# KiCad board 2000ATX.kicad_pcb (continued)
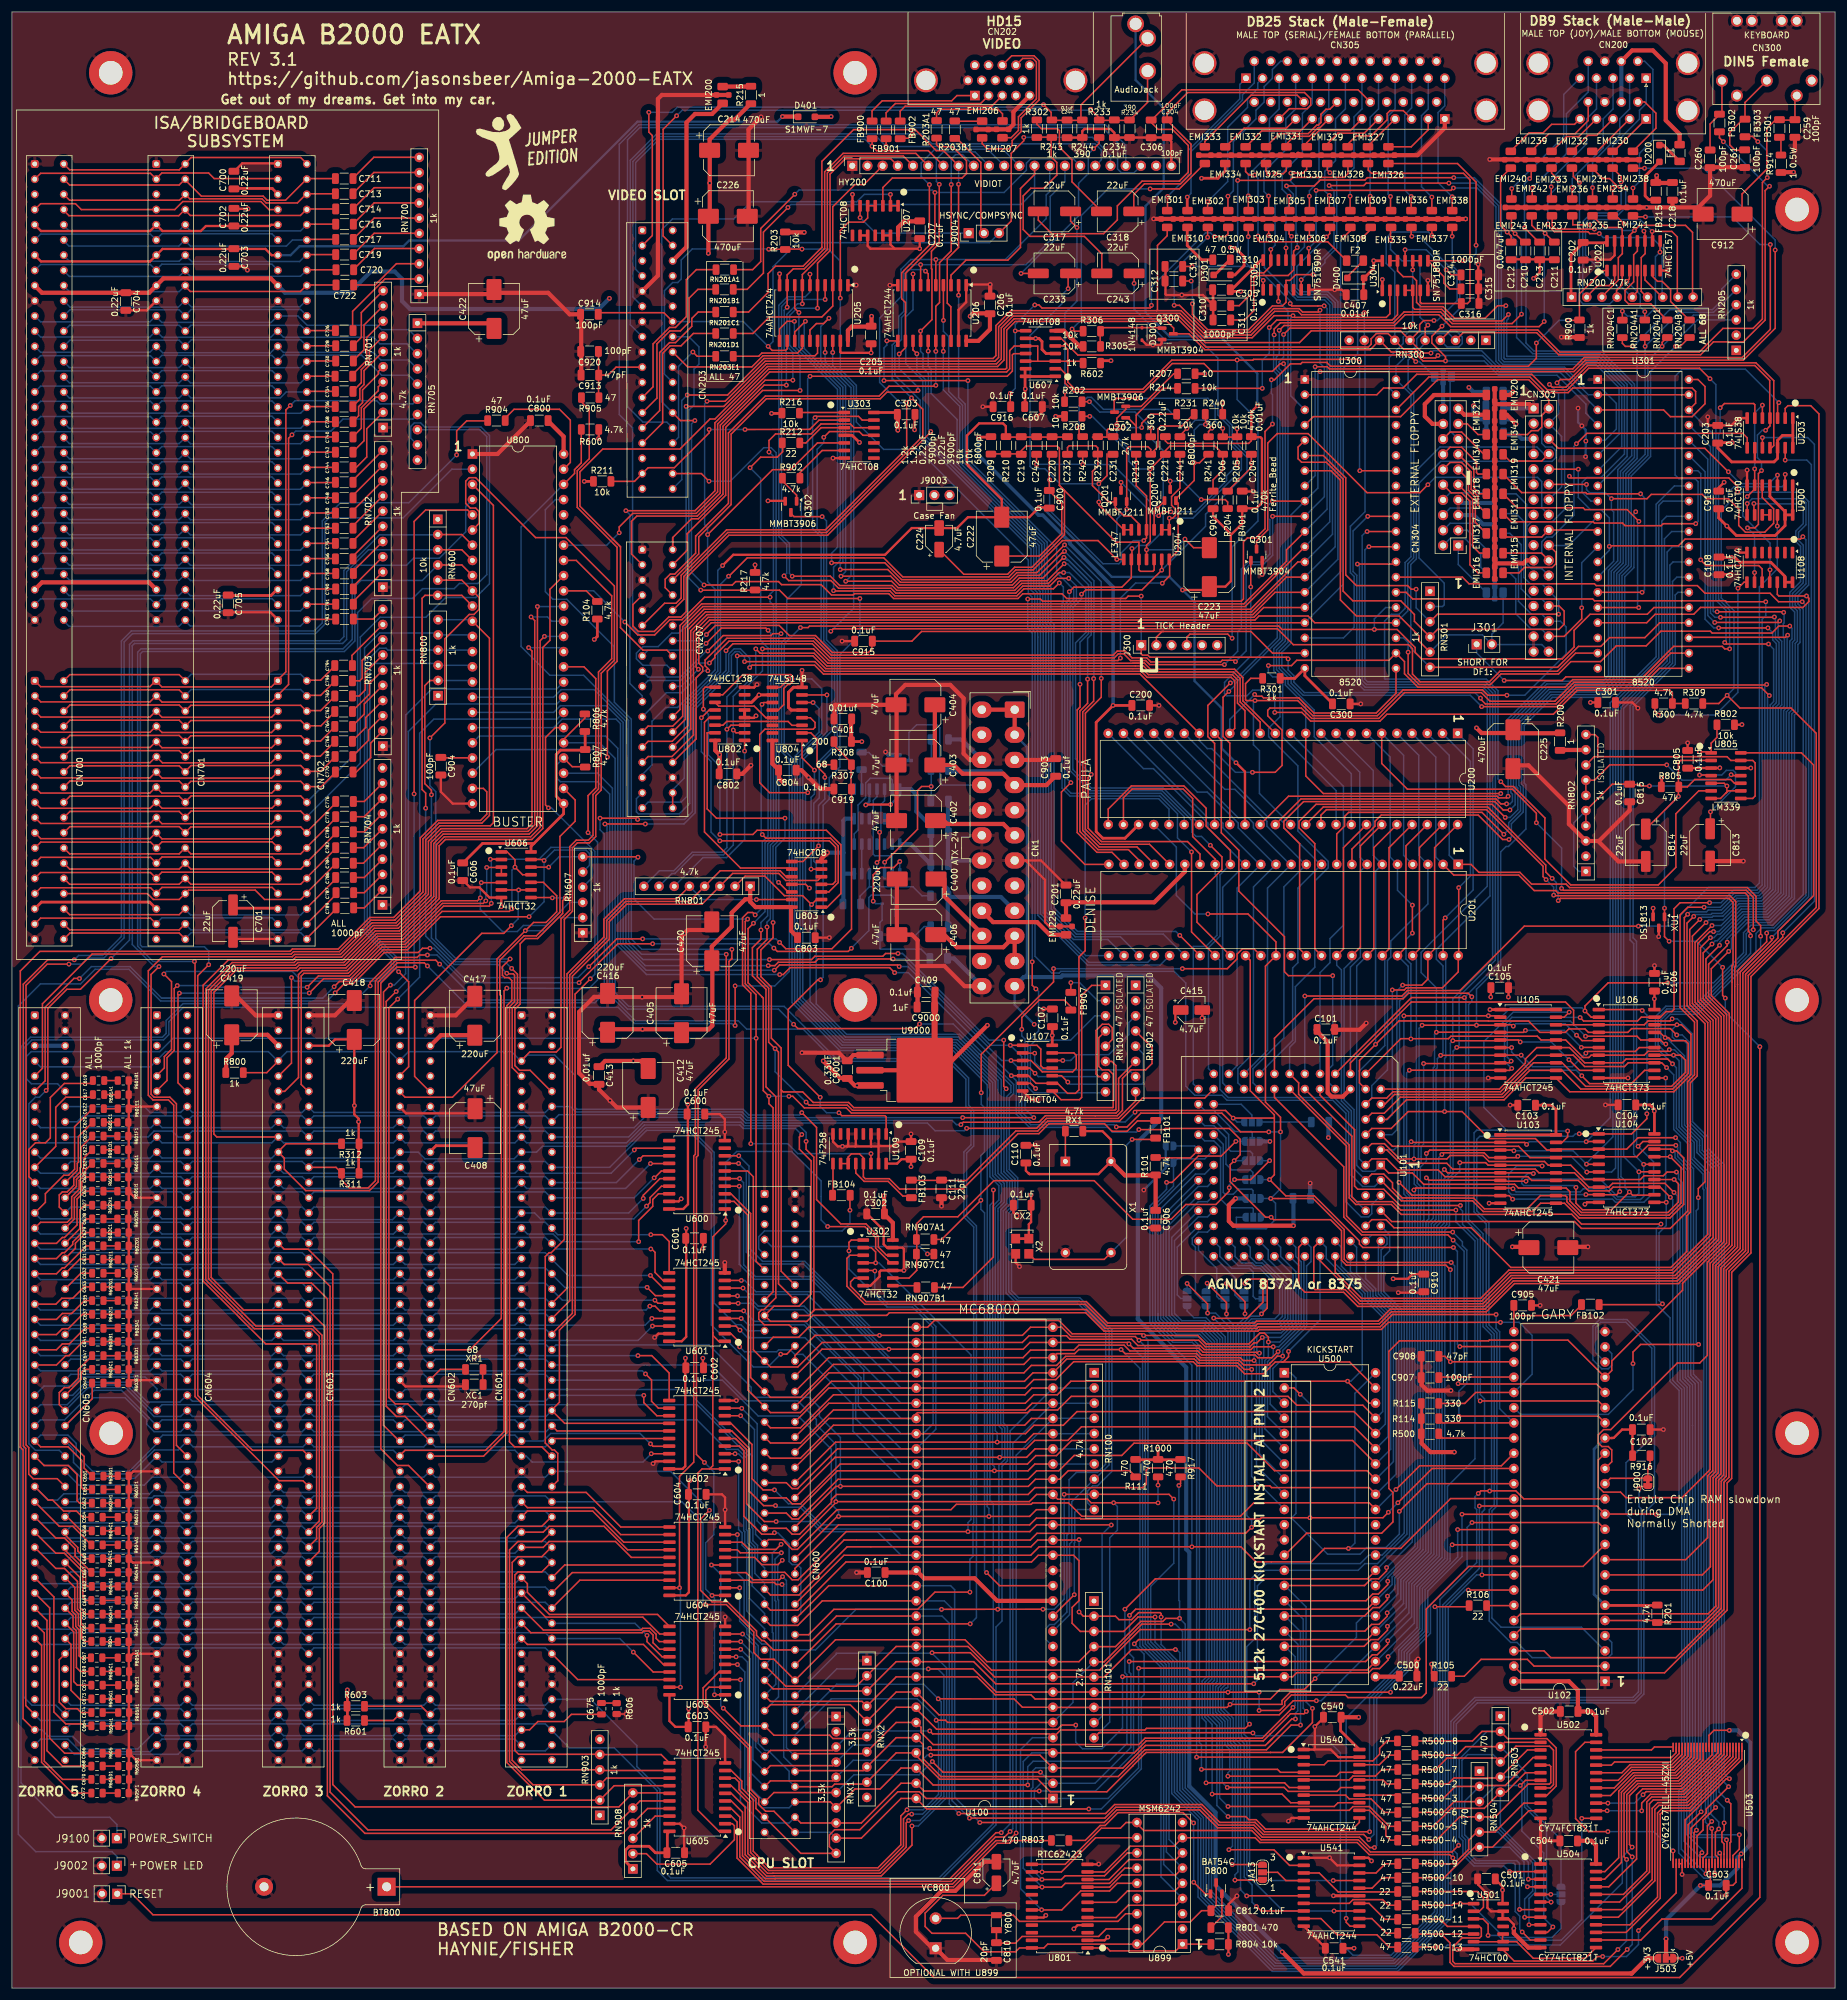
[diagram p0: board, top side]
## Nets (continued)
Net-(U899-XT): U899.16 VC800.2 Y800.2
Net-(U900-Pad10): U900.10 U900.11
Net-(U9101-Pad6): U9101.6 U9101.9
Net-(U9102B-C): U9101.2 U9102.11
Net-(U9102B-D): U9101.4 U9102.12
Net-(U9102B-Q): R9104.2 U9102.9
Net-(U9102B-~{R}): U9101.8 U9102.13
Net-(X1-Enable): RX1.1 X1.1
Net-(X1-OUT): FB101.1 X1.8 X2.3
Net-(XC1-Pad1): XC1.1 XR1.2

Pads without a net: CN1 8 20; CN202 4 9 11 12 15; CN203 1 2 5 35; CN300 3; CN303 3; CN305 15 37 38 39 40 41 42 44 46 48 49 50; CN601 11; J300 5; J9003 3; RN205 2; RN300 2 10; RN704 10; RN705 10; RN902 1 2; RN903 6; RNX1 2; RNX2 10; U108 1 2 3 4 5 6; U109 4 7; U207 8 11; U301 18; U303 8 9 10; U305 2 5 9 12; U501 11; U503 10 13; U541 5; U600 9 11; U800 44; U801 3 6 8 17 18 21 22 23; U802 7; U804 14 15; U9101 10 11 12 13; U9102 1 2 3 4 5 6 8

## Via types
v1: diameter 0.8, hole 0.4, Top to Bottom, 1212 vias

## Routing (per net, layer and track width the routed paths; a pad name or vN(x,y) marks a point on that pad's centre or on a via; arc(x,y) is an arc through that point)
+3V3: length 364.9
  Top w0.381: X2.4 170.01,127.62 170.38,127.99 CX2.1 170.38,132.51 v1(170.37,132.53)
  Top w0.457: X2.1 X2.4
  Top w0.7: J503.3 273.36,4.98 270.83,2.45 270.72,2.45 270.72,2.43 215.98,2.43 v1(212.37,6.04) ; CN1.13 CN1.1 CN1.2
  In2.Cu w0.381: v1(170.91,161.04) 172.14,159.81 172.14,134.3 v1(170.37,132.53)
  Bottom w0.381: v1(170.91,161.04) 167.64,164.31 CN1.12 169.68,169.45 169.68,207.37 CN1.2
  Bottom w0.7: 212.35,6.03 212.37,6.01 v1(212.37,6.04) 212.34,6.04 201.23,17.15 201.23,29.32 196.84,33.71 196.84,72.82 196.32,73.33 196.32,103.71 188.23,111.8 188.23,141.41 192.14,145.32 192.14,167.1 190.23,169.01 190.23,169.21 175.64,169.21 175.36,168.93 169.16,168.93 CN1.12
+5V: length 974.4
  Top w0.381: C110.1 169.52,136.57 169.99,136.1 170.01,136.12 170.12,136.01 181.63,136.01 X1.14 183.74,141.75 182.31,143.19 RX1.2 ; C106.1 274.61,165.32 v1(274.59,165.29) 274.61,165.27 274.61,163.51 ; U203.9 291.38,255.1 291.46,255.02 ; v1(227.3,21.24) 226.77,21.77 U541.20 ; 129.28,248.51 v1(126.4,248.51) ; v1(113.01,147.67) 113.03,130.98 112.23,130.17 U600.20 ; R802.2 289.21,211.09 v1(289.24,211.12) ; R217.2 v1(124.24,237.82) ; XU1.2 v1(274.39,180.44) ; C105.1 247.26,165.62 v1(247.24,165.59) ; 247.92,18.24 249.21,16.95 v1(249.21,16.36) 249.21,14.09 ; R600.2 98.11,258.95 v1(98.07,258.91) ; 113.38,84.8 113.4,84.82 v1(113.35,84.82) 113.35,84.77 113.18,84.6 113.18,66.13 112.66,65.61 U604.20 ; 270.93,88.67 270.93,93.21 ; 57.97,141.07 57.97,144.67 58,144.7 57.97,144.73 57.97,145.27 57.23,146 57.23,147.47 57.2,147.5 57.23,147.53 C418.1 54.01,158.51 52.95,157.45 CN603.6 ; U602.20 112.12,86.74 112.57,87.19 112.57,103.63 v1(112.59,105.26) ; U601.20 111.98,108.08 112.72,108.82 v1(112.72,126.93) ; C910.1 234.16,119.3 233.38,118.52 v1(230.92,118.52) ; v1(172.85,12.15) 172.49,11.78 U801.20 ; U801.4 178.17,10.51 v1(177.54,9.89) ; J503.1 v1(279.25,4.98) ; v1(113.13,46.67) 113.13,43.64 110.91,43.64 109.93,44.62 U603.20 ; U109.16 147.99,137.76 148.72,138.49 C109.2 150.32,137.25 v1(150.31,137.24) ; R801.1 R804.1 203.38,5.63 v1(203.38,5.63) ; 222.54,6.65 v1(224.38,6.65) ; v1(285.54,203.89) 285.5,203.86 U805.3 280.18,203.86 ; U102.17 267.5,91.9 267.5,91.92 267.8,91.92 269.19,93.32 C102.1 ; 194.51,163.42 194.51,161.38 ; C301.1 v1(263.91,214.82)
  Top w0.457: 57.97,141.07 57.97,136.14 ; RN908.1 102.58,21.14 102.58,23.04 103.22,23.68 106.5,23.68 107.58,22.61 109.57,22.61 109.57,25.83 U605.20 ; v1(56.08,49.81) 56.08,44.7 ; 97.28,251.76 v1(95.68,251.76) ; v1(97.36,225.35) 97.87,225.86 97.87,228.83 ; 95.8,206.85 91.72,206.85 91,206.13 91,199.15 U800.25 92.23,196.22 87.27,191.26 ; 95.83,206.89 95.83,209.98 ; U606.14 86.78,190.77 87.27,191.26 ; 87.27,191.26 78.69,191.26 75.36,187.94 ; 36.14,232.69 43.31,232.69 44.4,233.78 ; 44.4,180.44 37.22,180.44 ; 24.08,180.39 23.01,181.46 4.93,181.46 CN700.D16 ; 37.11,300.71 43.51,300.71 44.4,299.82 ; 169.38,275.64 v1(171.15,275.64) 171.71,275.64 172.21,275.14 172.21,273.81 172.9,273.13 U607.4 ; 297.74,259.44 297.74,262.33 ; 297.74,259.44 297.74,257.39 ; 297.74,259.44 296.01,259.44 295.2,258.62 295.2,257.11 ; U540.20 222.13,43 222.13,45.26 ; 235.68,97.69 235.68,92.61 ; v1(287.6,258.24) 285.19,258.24 285.19,257.35 287.53,255.02 294.6,255.02 295.19,255.61 U203.12 ; U104.20 274.6,146.53 v1(274.59,146.54) 274.6,146.56 274.6,146.84 273.87,147.57 271.4,147.57 ; 275.82,200.71 v1(275.82,202.29) ; 275.08,63.93 266.37,63.93 ; 169.38,269.29 169.38,264.27 ; 169.38,269.29 169.38,270.56 ; 169.38,269.29 174.33,269.29 ; U202.16 266.36,291.62 262.69,291.62 260.65,289.59 260.65,282.55 ; U305.14 208.85,288.73 203.63,283.51 v1(205.44,283.51) ; 173.93,160.26 173.93,159.18 v1(173.93,159.18) 173.93,159.17 U107.14 ; v1(203.71,290.83) 204.47,290.83 205.99,289.31 205.99,287.78 204.47,286.26 D301.2 ; 181.89,271.93 v1(183.74,271.93) ; 285.34,247.27 285.34,245.67 v1(286.72,244.3) 288.3,242.71 294.79,242.71 296.44,244.37 U900.13 U900.14 U900.1 ; U105.20 U105.1 v1(247.11,163.49) ; U108.14 U108.13 296.42,235.89 294.06,238.25 288.86,238.25 288.06,239.04 v1(287.51,239.04) 285.39,239.04 ; 296.44,246.71 293.9,249.25 U900.4 ; 140.29,208.28 v1(142.09,208.28) ; v1(141.7,258.27) 140.46,259.46 U303.4 ; U303.14 147.8,263.27 ; 187.86,88.27 191.62,88.27 ; 191.62,88.27 v1(191.62,90.02) ; 191.62,88.27 195.38,88.27 ; 211.97,218.85 214.48,218.85 U300.20 216.15,219.28 220.85,214.58 ; U103.1 U103.20 258.14,146.79 257.41,147.52 256.1,147.52 v1(256.06,147.57) 256.02,147.52 254.64,147.52 ; 128.7,263.12 v1(127,263.12)
  Top w0.5: U804.10 v1(124.89,216.08) 123.6,214.78 ; U802.6 123.55,214.83
  Top w0.7: CN700.B29 5.02,234.89 22.92,234.89 24.08,233.73 ; RN705.1 80.28,278.18 ; U800.48 92.23,259.26 89.56,261.92 ; 111.93,160.22 v1(105.42,160.22) 98.42,160.22 ; 261.57,24.6 v1(263.52,24.6) 264.08,24.6 264.84,23.85 U504.24 ; 118.32,202.89 v1(118.32,206.08) 117.6,206.8 117.59,208.43 ; 190.89,135.92 191.21,135.6 191.21,129.87 ; C419.1 42.72,159.28 CN603.5 ; 277.62,301.63 274.98,301.63 v1(274.98,302.87) ; 148.1,262.97 v1(148.1,260.31) ; C420.1 117,174.03 120.33,177.37 120.33,179.68 122.59,181.94 123.43,181.94 ; U500.22 231.92,52.02 ; v1(129.06,201.33) 128.24,202.14 128.24,203.5 127.14,204.61 U804.16 ; 190.76,135.8 186.07,135.8 X1.14 ; U100.14 164.72,64.69 160.95,68.46 152.49,68.46 U100.49 150.84,69.43 145.9,69.43 ; RN801.1 123.43,181.94 ; 123.43,181.94 123.43,181.52 124.32,180.62 U803.14 ; EMI229.1 173.51,175.99 171.39,178.11 164.04,178.11 CN1.21 ; 140.29,208.28 140.29,212.04 ; 111.95,160.19 116.47,160.19 117.09,160.81 117.09,171.39 ; EMI200.1 117.05,313.16 114.2,313.16 112.78,311.73 112.78,290.94 CN203.6 ; 155.91,185.32 155.91,182.42 162.14,176.19 ; U102.48 260.31,51.26 261.81,49.76 261.81,46.21 264.05,46.21 264.86,45.4 U502.24 ; 194.51,161.38 v1(194.49,161.37) ; 258.83,206.88 263.12,206.88 ; CN602.6 71.72,159.22 C417.1 ; 174.5,202.56 172.95,201.01 CN1.4 165.74,202.91 158.94,202.91 157.48,204.37 C403.1 C404.1 ; 129.29,293.37 v1(132.46,293.37) ; v1(145.79,132.39) 145.79,129.35 147.28,127.87 U302.14 ; 131.42,175.51 130.27,176.67 130.27,180.42 ; 235.68,92.61 235.68,91.02 237.14,89.56 v1(241.15,89.56) ; 35.81,152.96 35.81,155.29 36.74,156.22 36.74,159.83 ; v1(250.85,123.85) 253.5,123.85 ; 295.76,303.44 v1(297.86,303.44) ; 217.95,160.12 219.97,158.1 219.97,149.61 220.63,148.95 222.51,148.95 U101.15 ; 222.14,45.25 v1(225.16,45.25) ; CN1.6 165.74,194.51 156.37,194.51 155.81,195.07
  Bottom w0.457: U102.17 264.52,90.07 264.52,65.79 U102.6
  Bottom w0.7: 3.78,157.45 8.86,157.45 ; v1(244.35,264.41) 244.35,262.64 244.86,262.13 F4.2 ; 220.09,144.71 v1(220.09,142.11) ; 246.5,261.87 246.5,259.59 ; CN1.4 165.34,203.31 156.77,203.31
  vias: v1(57.25,147.45) v1(57.95,144.75) v1(169.42,267.21)
+12V: length 709
  Top w0.457: U304.14 v1(227.67,288.63) 227.67,287.36 D400.2 ; 225.94,282.96 225.94,285.62 ; 197.74,269.75 v1(199.44,269.75)
  Top w0.7: 155.86,176.02 157.97,173.91 165.74,173.91 CN1.10 CN1.11 ; CN702.B9 43.25,285.69 25.34,285.69 CN701.B9 22.93,283.27 5.02,283.27 CN700.B9
  In2.Cu w0.7: 212.8,273.35 217.27,277.83 226.62,277.83 230.06,281.26 230.06,286.24 v1(227.67,288.63) 227.21,289.09 193.84,289.09 173.36,268.61 173.36,262.54 159.94,249.13 159.94,204.43 161.05,203.31 162.83,203.31 164.54,201.6 164.54,177.55 ; 212.8,273.35 235.68,273.35 241.57,267.46 v1(243.59,267.46) ; 212.8,273.35 209.19,269.75 v1(199.44,269.75) ; 164.54,173.53 164.54,164.48 159.82,159.77 143.76,159.77 136.37,152.37 CN601.10 ; 164.54,173.53 166.83,175.81 ; 164.54,173.53 164.54,177.55 ; 159.94,246.02 155.83,246.02 154.22,247.64 J9003.2 ; 7.21,151.54 5.17,153.58 3.32,153.58 2.02,154.88 2.02,282.69 CN700.B9 ; 164.54,177.55 166.28,175.81 CN1.10 ; 168.44,171.61 169.95,170.1 169.95,166.41 161.51,157.97 144.51,157.97 142.33,155.79 142.33,135.23 133.3,126.2 133.3,124.93 CN600.10 ; CN203.10 109.26,282.34 99.89,282.34 v1(99.89,282.34)
  Bottom w0.7: 246.5,264.16 246.5,266.45 ; v1(99.89,282.34) 98.11,280.57 66.54,280.57 65.21,281.89 65.21,285.59 63.99,286.82 59.99,286.82 56.44,283.27 45.66,283.27 CN702.B9 ; v1(243.59,267.46) 244.35,266.7 F3.2
-5V: length 396.7
  Top w0.381: CN702.B5 43.32,294.64 43.12,294.44 C702.1 32.43,294.44 31.59,293.59 25.18,293.59 CN701.B5 23.08,293.59 4.86,293.59 CN700.B5
  Top w0.7: 145.33,150.83 140.89,150.83 139.65,152.07 138.48,152.07 v1(135.64,154.91) ; 98.15,153.89 99.17,154.91 v1(103.89,154.91) 105.1,154.91 C412.2
  In2.Cu w0.381: 3.76,280.62 52.64,280.62 55.91,277.35 66.25,277.35 66.67,276.92 84.07,276.92 CN203.31 ; 3.76,280.62 3.55,280.62 2.76,279.83 2.76,156.57 3.38,155.96 7.84,155.96 CN605.8 ; 3.76,280.62 3.97,280.62 4.86,281.51 4.86,293.59 CN700.B5
  In2.Cu w0.7: CN601.8 v1(135.64,154.91) ; CN600.8 141.28,135.44 v1(141.28,150.82)
-12V: length 611.4
  Top w0.381: CN700.B7 4.86,288.51 23.08,288.51 CN701.B7 25.18,290.61 42.37,290.61 43.42,289.56 CN702.B7
  Top w0.457: 77.14,140.76 70.91,140.76 69.82,139.67 ; v1(229.11,285.5) U304.1 ; 176.04,262.64 v1(174.5,262.64)
  Top w0.6: 154.21,163.93 154.21,166.37
  Top w0.7: v1(128.83,312.72) 131.39,312.72 ; 155.57,153.37 v1(163.07,160.88) ; 145.33,153.37 154.48,153.37
  Top w1: 154.26,166.42 154.26,153.59
  In2.Cu w0.381: CN700.B7 1.28,287.03 1.28,143.26 3.6,140.94 6.79,140.94 ; v1(174.5,262.64) 160.68,248.82 160.68,219.42 164.18,215.92 164.18,211.45 CN1.14
  In2.Cu w0.457: v1(174.5,262.64) 174.5,268.65 192.7,286.85 198.07,286.85 199.45,288.23 226.38,288.23 v1(229.11,285.5)
  In2.Cu w0.7: CN601.20 91.52,139.67 92.56,140.72 92.56,145.23 98.8,151.47 136.75,151.47 144.14,158.87 161.07,158.87 v1(163.07,160.88) 163.07,160.89 165.44,163.25 165.44,172.96 166.12,173.65 168.46,173.65 169.84,175.03 169.84,176.6 168.73,177.71 166.55,177.71 165.44,178.83 165.44,206.11 CN1.14
  Bottom w0.381: CN702.B7 46.59,289.56 48.08,291.05 65.45,291.05 66.39,292 84.72,292 104.58,311.87 127.97,311.87 v1(128.83,312.72)
/Paula/+5VMOUSE: length 30.4
  Top w0.7: CN200.7 270.87,323.77 274.35,323.77 276.5,321.61 276.5,312.09 278.81,309.78 F1.2
  Bottom w0.7: CN200.16 CN200.7
/Power/+5VSB: length 56.3
  Top w0.381: v1(146.89,197.76) 142.81,197.76 v1(142.74,197.69)
  Bottom w0.381: v1(142.74,197.69) 143.35,198.3 U9102.10 ; v1(146.89,197.76) 148.43,199.3 U9102.14
  Bottom w0.7: U9101.14 150.26,191.15 153.69,187.72 153.69,186.39 156.43,183.64 156.43,182.52 ; 156.46,177.37 156.46,182.5 ; CN1.9 165.34,182.31 156.64,182.31 ; 153.7,187.73 153.7,194.11 151.21,196.6 151.21,199.42 150.29,200.34 148.39,200.34
GND: length 1491.8
  Top w0.25: 286.53,17.16 287.71,17.16 288.23,17.68 288.23,20.78 ; R606.1 102.69,45.78 v1(102.71,45.77) ; 278.73,20.78 279.23,20.78 v1(279.23,18.99)
  Top w0.381: 215.13,306.53 215.44,306.22 ; 262.69,288.82 v1(265.15,288.82) 267.23,288.82 267.94,289.53 U202.15 ; U305.7 v1(221.14,283.78) 222.31,283.78 223.14,282.96 ; U541.1 v1(220.29,21.77) 221.56,20.5 U541.19 ; v1(111.89,131.88) 111.46,131.44 U600.19 ; 77.14,146.16 65.88,146.16 64.74,147.29 ; 64.74,101.57 65.79,100.53 75.58,100.53 ; U606.7 79.83,182.22 78.14,183.92 76.58,183.92 75.36,185.14 ; U800.24 73.69,197.92 71.7,199.9 71.7,202.77 ; 36.14,229.89 43.21,229.89 44.4,228.7 ; 37.11,297.31 v1(39.47,297.31) ; 36.96,175.3 44.34,175.3 ; 44.4,304.9 38.5,304.9 37.11,303.51 ; v1(81.81,180.7) 81.81,182.21 ; v1(251.1,9.94) 251.1,10.63 250.18,11.55 249.21,11.55 249.21,12.82 247.28,12.82 246.69,13.41 246.69,15.71 v1(246.62,15.78) 245.12,17.28 245.12,18.24 ; 139.62,140.63 v1(138.85,140.63) 138.07,140.63 137.27,141.43 U109.8 ; 139.62,140.63 139.81,140.82 U109.6 ; 139.62,140.63 141.01,140.63 ; 285.39,236.24 v1(287.35,236.24) ; XU1.3 275.34,175.72 v1(275.31,175.69) ; CN604.49 20.03,101.57 19.54,101.09 19.54,151.64 ; 171.19,262.34 171.16,262.32 v1(171.16,262.34) 171.19,262.34 ; 171.19,262.34 172.26,263.42 C607.1 ; C107.2 172.49,163.6 v1(172.48,163.61) ; 19.54,55.18 20.22,55.85 CN604.85 ; v1(266.41,147.57) 266.42,147.57 C104.2 ; 219.59,6.73 217.22,9.09 v1(217.18,9.09) 217.18,9.13 U541.10 ; 169.47,188.41 172.72,185.17 172.72,178.11 173.44,177.39 173.44,177.39 EMI229.3 EMI229.3 ; 169.47,188.41 CN1.7 ; 169.47,188.41 172.04,188.41 176.23,184.23 ; U805.12 290.7,203.86 v1(290.71,203.87) ; 139.76,284.56 v1(141.16,284.56) ; CN604.73 20.2,71.09 19.54,71.75 ; 190.49,309.22 C304.2 193.83,308.53 HY200.22 ; v1(171.35,148.39) 170.5,148.39 U107.7 ; v1(163.55,284.67) 159.66,284.67 U206.1 159.54,281.71 158.27,280.44 U206.19 ; U207.9 U207.10 143.07,291.08 143.51,290.64 147.57,290.64 ; R244.1 178.95,310.3 179.3,310.65 183.68,310.65 184.31,310.02 C234.2 190.44,309.21 ; C704.2 22.53,280.34 CN701.B10 ; 245.14,281.53 v1(245.14,288.01) ; 205.69,250.07 v1(207.55,250.07) ; v1(213.41,27.89) 213.94,28.42 U540.10 ; v1(189.5,127.07) 189.51,127.07 191.21,127.07 ; U207.7 v1(140.53,299.72) ; 39.34,287.07 38.71,287.69 C703.2 ; 39.34,287.07 v1(39.36,287.07) 39.36,287.04 39.34,287.07 ; 19.48,133.16 20.58,132.05 CN604.25 ; 19.54,146.94 19.9,147.29 CN604.13 ; 179.83,7.97 182.68,7.97 v1(183.22,8.52) ; 164.11,264.24 v1(162.32,264.24) ; U108.7 288.81,239.86 v1(288.39,240.28) ; 112.37,22.61 v1(112.37,26.75) 111.66,27.46 U605.19 ; U601.19 108.08,109.35 v1(107.44,108.71) ; 151.76,292.41 v1(151.76,290.64) 147.57,290.64 ; 147.57,290.64 146.88,291.34 U207.13 U207.12 ; U109.3 143.62,140.67 143.66,140.63 ; CN604.37 19.89,116.81 19.54,117.16 ; U801.12 181.65,20.67 v1(181.69,20.72) ; 219.33,45.18 v1(217.83,43.69) 217.83,39.98 217.7,39.85 ; v1(150.31,142.72) 150.32,142.71 C109.1 148.26,141.44 147.51,140.7 144.95,140.7 144.89,140.63 ; C301.2 270.91,214.82 271.84,213.89 v1(271.84,213.87) ; U540.19 221.77,38.58 220.5,39.85 217.7,39.85 ; v1(168.45,120.56) 167.81,121.2 X2.2 ; 217.7,39.85 U540.1 ; U106.10 v1(270.18,152.07) ; v1(119.23,62) U603.10 ; v1(146.79,284.54) 146.8,284.56 148.09,284.56 ; 115.52,103.78 115.52,105.24 v1(115.51,105.25) ; C105.2 250.21,165.62 v1(250.19,165.59) ; 192.22,275.47 192.22,274.82 191.98,274.57 v1(190.75,274.57) 189.7,274.57 D300.2 ; U900.7 v1(290.09,253.64) ; 253.97,114.07 v1(255.5,114.07) ; U104.10 263.31,131.29 v1(262.99,130.97) ; 281.93,297.54 EMI241.3 ; 235.68,102.01 235.68,105.56 ; U600.10 119.18,143.04 v1(119.17,143.05) 119.18,143.06 119.18,145.19 118.33,146.04 C600.2 ; U202.8 v1(276.82,286.98) ; 140.97,225.07 v1(138.79,225.07) ; v1(115.98,40.31) 115.98,43.59 ; U205.19 138.49,273.37 138.62,273.24 v1(143.64,273.24) 143.64,274.82 ; C503.2 286.6,15.55 v1(286.58,15.53) ; 115.98,82.5 118.7,82.5 119.23,81.97 v1(119.23,79.93) 119.23,77.04 ; 19.54,32.58 19.54,85.6 20.28,86.33 CN604.61 ; U602.19 107.57,88.01 v1(107.19,87.63) ; U303.7 v1(137.26,255.65) ; CX2.2 167.44,129.6 168,129.04 v1(168.02,129.04) ; v1(121.11,98.17) U602.10 ; v1(115.52,123.59) 115.52,125.27 ; U105.10 v1(246.81,152.07) ; 150.9,262.97 v1(150.9,260.38) ; 209.01,238.43 v1(209.01,236.19) ; U302.7 143.53,117.36 145.05,118.89 145.05,119.7 145.26,119.9 U302.10 v1(149.12,119.9) 149.12,123.51 148.92,123.71 U302.13 146.3,123.71 145.74,124.28 145.74,126.61 142.99,129.35 ; 200.83,283.51 200.83,278.79 ; 285.34,250.07 285.34,250.7 v1(286.26,251.61) ; v1(204.8,15.4) 203.41,14 C812.2 ; C805.2 v1(280.16,208.07) ; 192.86,287.68 192.86,283.04 192.99,282.91 v1(195.58,282.91) 199.11,282.91 200.89,281.13 ; v1(283.51,262.53) 283.51,261.41 283.81,261.11 C203.1 287.46,261.11 288.68,262.33 U203.7 ; 141.01,140.63 143.66,140.63 ; 141.01,140.63 141.08,140.7 U109.5 ; U109.15 144.89,140.63 ; 144.89,140.63 143.66,140.63 ; 144.89,140.63 U109.2 ; CN604.99 20.77,38.07 19.61,39.24 ; 136.63,175.51 136.64,175.51 v1(136.66,175.52) 136.63,175.51 C803.2 ; U605.10 119.23,42.12 117.71,43.64 115.93,43.64 ; 223.65,214.58 v1(225.5,214.58) ; U103.10 v1(246.96,131.14) ; v1(250.49,147.54) 251.74,147.54 ; 151.46,163.98 151.46,175.03 ; U205.10 v1(128.33,286.45) ; 273.69,93.32 v1(276.1,93.32) ; C106.2 v1(274.61,170.84) ; C244.2 178.92,309.19 ; v1(171.16,140.82) 169.52,140.82 ; 265.18,191.67 RN802.3 ; 190.12,214.33 v1(191.77,214.33) ; 236.07,116.2 v1(231.78,116.2) ; U304.7 v1(236.73,285.34) ; C415.2 199.01,162.12 v1(198.98,162.1)
  Top w0.4: 122.54,217.32 124.08,217.32 v1(124.56,217.81) ; 124.05,212.24 v1(124.4,212.59) ; 122.56,212.24 124,212.24
  Top w0.5: v1(255.56,24.62) 255.56,20.75 ; U802.5 122.49,212.34 ; U502.12 255.56,24.82 ; U804.5 130.28,213.54 129.82,214 129.82,216.51 130.66,217.35 U804.8 v1(132.09,220.18) ; 258.77,24.6 255.78,24.6 ; U541.15 v1(220.94,15.42)
  Top w0.7: 95.17,269.57 95.17,279.65 ; 80.59,283.27 89.65,283.27 93.24,279.68 95.15,279.68 ; 67.89,283.06 80.38,283.06 ; U800.1 81.18,256.34 86.76,261.92 ; 147.95,185.27 C406.2 150.46,176.02 151.41,175.08 151.41,170.79 ; 131.04,203.5 131.98,203.5 135.13,200.36 137.49,200.36 ; C811.2 162.57,21.1 157.71,16.24 155.43,16.24 151.13,11.94 151.13,9.4 153.88,6.64 ; C417.2 74.19,162.53 CN602.2 ; EMI243.3 EMI241.3 277.72,297.54 ; CN1.3 174.35,205.21 ; v1(263.47,123.85) 260.24,123.85 ; CN202.5 167.43,313.51 167.43,311.4 EMI207.3 EMI206.3 ; 235.68,102.01 235.68,100.8 236.65,99.83 v1(240.58,99.83) ; U803.7 135.34,188.71 v1(136.35,189.71) ; 277.72,297.54 281.93,297.54 283.91,299.51 283.91,304.26 289.67,304.26 ; 277.72,297.54 277.62,297.64 277.62,298.83 ; 265.18,191.67 268.59,188.26 C814.2 ; CN303.21 253.2,238.56 252.7,238.06 247.96,238.06 247.9,238 ; 151.41,170.79 151.41,163.93 ; 151.41,170.79 155.88,170.79 159.26,167.41 CN1.24 ; EMI320.3 247.9,264.67 ; 247.9,264.67 253.69,264.67 CN303.1 ; 247.9,264.67 247.9,238 ; U607.7 175.87,276.94 v1(177,275.81) 178.49,274.32 179.14,274.32 ; 123.16,296.27 123.16,307.09 ; 255.56,20.75 U504.1 ; CN203.9 108,286.16 108,315.67 108.66,316.33 EMI200.3 EMI200.3 ; C813.2 v1(289.47,188.31) ; 121.12,202.89 122.11,202.89 v1(123.55,204.32) ; v1(190.88,295.63) 221.03,295.63 221.05,295.61 EMI338.3 243.01,295.61 v1(243.04,295.62) 243.03,295.61 243.02,295.61 ; CN603.1 40.74,162.53 36.74,166.53 ; 143.1,69.43 v1(141.22,69.43) ; C214.2 123.14,310.55 v1(125.25,312.67) ; v1(226.42,161.24) 225.3,160.12 220.75,160.12 ; C402.2 147.9,214.33 ; 57.19,165.72 54,162.53 CN603.2 ; 270.46,198.29 270.46,196.8 265.33,191.67 RN802.3 260.3,194.51 260.3,197.55 253.54,204.31 250.95,204.31 ; 164.59,4.7 156.38,4.7 VC800.1 ; 247.9,238 EMI316.3 ; v1(235.1,54.98) 234.82,54.7 234.82,52.12 ; 214.73,306.22 231.09,306.22 ; 214.73,306.22 215.03,306.52 ; 214.73,306.22 198.42,306.22 ; CN1.15 160.17,205.21 159.11,206.27 159.11,215.52 156.87,217.75 149.35,217.75 147.8,216.2 C404.2 137.64,214.43 137.51,214.3 137.51,212.06 ; v1(259.04,275.87) 262.07,275.87 ; U601.10 v1(119.18,121.24) ; EMI326.3 235,306.27 239.55,310.83 CN305.26 ; 155.41,132.13 v1(155.41,130.66) ; 298.09,309.33 v1(298.09,307.07) ; U504.12 253.51,6.76 251.1,9.17 v1(251.1,9.94) ; v1(247.07,305.56) 253.22,305.56 253.27,305.51 EMI238.3 ; 163.55,282.72 163.55,284.66 ; 244.26,6.47 v1(241.6,6.47) ; 259.01,46.21 256.21,46.21 v1(255.81,45.8) 255.56,45.56 255.56,42.35 ; C412.1 101.14,147.15 v1(99.99,148.3) 98.15,150.14 98.15,151.09 96.61,151.09 94.83,152.88 94.83,163.12 97.33,165.62 98.42,165.62 98.45,165.59 v1(105.37,165.59) 111.95,165.59 111.95,175.77 v1(112.39,176.22) 112.97,176.79 117.09,176.79 ; 145.33,155.91 140.69,155.91 139.65,154.87 138.23,156.29 v1(132.09,156.29)
  In1.Cu w0.7: 93.43,150.56 93.56,150.43
  In2.Cu w0.7: CN303.13 CN303.5
  Bottom w0.381: J102.1 JA7.2 192.9,137.02 v1(189.23,133.35) ; v1(263.09,255.89) 263.14,258.12 263.11,260.37 262.46,261.02 v1(262.46,261.04) 262.44,261.04 261.84,261.64 v1(261.84,263.99)
  Bottom w0.7: 247.9,248.16 EMI318.3 ; 247.9,248.16 242.32,248.16 CN304.7 ; 247.9,248.16 247.9,244.6 ; U9101.7 139.07,186.2 139,186.27 ; 156.34,172.05 157.5,172.05 CN1.24 ; 139,189.69 139,195.06 139.33,195.39 140.77,195.39 ; 139,189.69 138.97,189.71 v1(136.35,189.71) ; 139,189.69 139,186.27 ; 139,186.27 139,181.15 ; 147.97,206.07 146.53,206.07 v1(146.05,206.55) ; CN303.1 249.51,263.96 ; CN304.5 244.41,246.13 245.93,244.6 247.9,244.6 ; CN304.20 EMI312.3 ; CN1.19 157.18,188.41 156.49,187.72 156.49,193.02 ; CN1.15 158.71,208.65 156.51,208.65 ; 249.3,259.59 251.71,259.59 252.43,258.88 CN303.5 ; 217.05,131.97 v1(217.05,134.49) ; 156.49,198.35 156.49,193.05 ; EMI322.3 247.9,244.6 ; JA2.3 v1(210.31,141.48)
  vias: v1(133.19,202.28) v1(263.14,258.49) v1(273.3,297.54)
V7M: length 29.3
  Top w0.25: v1(153.06,122.67) 153.08,122.65 RN907C1.1
  Bottom w0.25: CN600.7 127,123.91 151.82,123.91 v1(153.06,122.67)
7M: length 166.4
  Top w0.25: v1(161.99,131.63) 155.44,125.08 154.07,125.08 ; v1(195.68,170.33) 203.19,170.33 204.83,171.98 204.83,172.77 205.71,173.64 207.66,173.64 U201.35 ; v1(162.94,69.41) 165.12,67.23 U100.15 ; v1(162.05,149.61) 162.05,156.03 174.14,168.12 v1(174.14,170.33)
  Bottom w0.25: v1(162.05,149.61) 162.05,147.66 162.6,147.11 162.6,139.71 161.99,139.1 v1(161.99,131.63) 161.99,130.13 162.6,129.52 162.6,69.75 v1(162.94,69.41) ; v1(195.68,170.33) v1(174.14,170.33)
7MHz: length 85
  Top w0.25: v1(203.52,133.73) 203.52,133.17 201.28,130.93 196.27,130.93 193.8,128.46 187.39,128.46 180.94,134.91 164.17,134.91 158.14,128.88 152.4,128.88 151.27,127.75 151.27,119.93 149.98,118.63 U302.9 ; v1(204.4,135.09) 207.1,135.09 v1(210.27,138.25)
  Bottom w0.25: JA4.1 v1(204.4,135.09) 203.52,134.2 v1(203.52,133.73) ; JA3.3 v1(210.27,138.25)
28M: length 24.2
  Top w0.25: v1(140.1,129.96) 140.1,132.44
  Bottom w0.25: CN600.9 124.85,123.52 124.85,125.55 125.81,126.51 138.8,126.51 140.1,127.81 v1(140.1,129.96)
+AUD: length 169.7
  Top w0.457: U200.27 186.08,192.13 182.37,192.13 181.27,193.23 181.27,211.5 v1(184.1,214.33) 187.32,214.33 ; 163.68,259.16 v1(161.62,259.16)
  Top w0.7: 250.95,209.71 245.71,209.71 v1(244.86,210.57) ; 258.83,209.68 250.98,209.68
  In2.Cu w0.457: 243.09,212.33 v1(244.86,210.57)
  In2.Cu w0.6: v1(184.1,214.33) 186.17,212.26 243.17,212.26 v1(244.86,210.57)
  Bottom w0.6: v1(161.62,259.16) 161.62,256.14 171.64,246.13 172.33,246.13 176.88,241.58 176.88,241.34 184.1,234.12 v1(184.1,214.33)
+AV: length 90.3
  Top w0.25: 187.96,256.36 v1(187.96,254.97) 187.96,251.05 189.69,249.33 U204.4 189.69,242.32 v1(189.23,241.86) ; 186.27,264.29 188.77,264.29 194.23,269.75 194.94,269.75 ; v1(184.72,261.25) 184.72,262.32 186.21,263.8 Q202.2 ; C222.1 171.76,239.28 175.51,243.03 175.51,248.08 173.43,250.17 173.43,256.31
  Bottom w0.25: v1(189.23,241.86) 187.5,241.86 185.45,239.81 185.45,238.38 185.07,238 182.41,238 173.48,246.92 v1(173.48,252.02) ; v1(187.96,254.97) 187.96,255.98 184.72,259.22 v1(184.72,261.25)
+VID: length 205.9
  Top w0.7: 116.66,296.11 v1(116.66,301.6) 116.66,306.93 ; C226.1 v1(116.43,289.88) ; v1(160.2,279.35) 160.69,279.84 163.51,279.84 163.51,277.18 161.58,275.24 U206.20 ; v1(143.71,279.35) 143.71,277.7 ; 143.64,277.62 140.4,277.62 139.76,276.99 139.76,275.26 ; U207.14 148.15,294.2 149.16,295.21 149.53,295.21 v1(149.54,295.22) 149.54,295.21 151.76,295.21 ; 123.55,314.93 120.82,312.21 119.95,312.21 116.64,308.9 C214.1
  In2.Cu w0.7: HY200.21 189.67,302.88 150.75,302.88 149.47,301.6 146.61,301.6 ; v1(160.2,279.35) 159.8,279.75 144.11,279.75 v1(143.71,279.35) 145.18,280.82 145.18,288.95 149.54,293.31 149.54,300.57 148.51,301.6 146.61,301.6 ; 140.16,301.6 141.84,301.6 143.03,302.8 HY200.2 ; 140.16,301.6 v1(116.66,301.6) ; 140.16,301.6 146.61,301.6 ; v1(116.43,289.88) 117.29,289.02 145.16,289.02
-AV: length 64.7
  Top w0.25: U204.11 v1(189.69,240.33) 189.69,241.1 190.31,241.72 v1(190.31,253.83) 192.84,256.36 192.84,256.9 193.6,257.66 201.14,257.66 202.44,256.36 202.44,253.64 200.81,252.02 200.81,250.07 ; C223.2 197.55,240.68 v1(196.11,242.11) ; 178.84,262.64 v1(180.19,262.64)
  Bottom w0.25: v1(189.69,240.33) 194.34,240.33 v1(196.11,242.11) ; v1(180.19,262.64) 180.59,262.64 186.74,256.49 186.74,255.11 188.02,253.83 v1(190.31,253.83)
/Buster and RTC/CLKVCC: length 73.7
  Top w0.25: D800.3 201.33,13.8 C812.1 198.89,12.93 197.01,11.05 192.69,11.05 188.98,7.34 U899.18 173.16,7.34 172.53,6.7 U801.24 168.45,6.7 167.79,6.05 162.55,6.05 159.45,9.15 153.81,9.15 152.67,10.29 152.67,12.52 155.63,15.49 162.58,15.49 C811.1
/Buster and RTC/STDP: length 21.3
  Top w0.25: U801.1 183.1,6.7 183.59,6.21 194.58,6.21 U899.1 200.41,7.34
/Floppy and Parallel/_CHNG: length 116.9
  Top w0.25: U300.4 217.57,262.58 232.17,262.58 238.35,268.75 253.6,268.75 256.94,265.41 CN303.2 255.76,262.78 255.76,260.85 255.15,260.24 254.03,260.24 253.37,259.59 EMI341.1